# Altium PCB mib-pcb0009.PcbDoc (part 2 of 2)
Units mm, origin at the board's own origin, x right, y up, seen from the top; angles counter-clockwise.
Board outline 112 x 82 mm, 4 copper layers (Top Layer, PWR, Signal_2, Bottom Layer), stack 1.57 mm thick; 199 components, 128 nets, 565 pads, 389 vias.
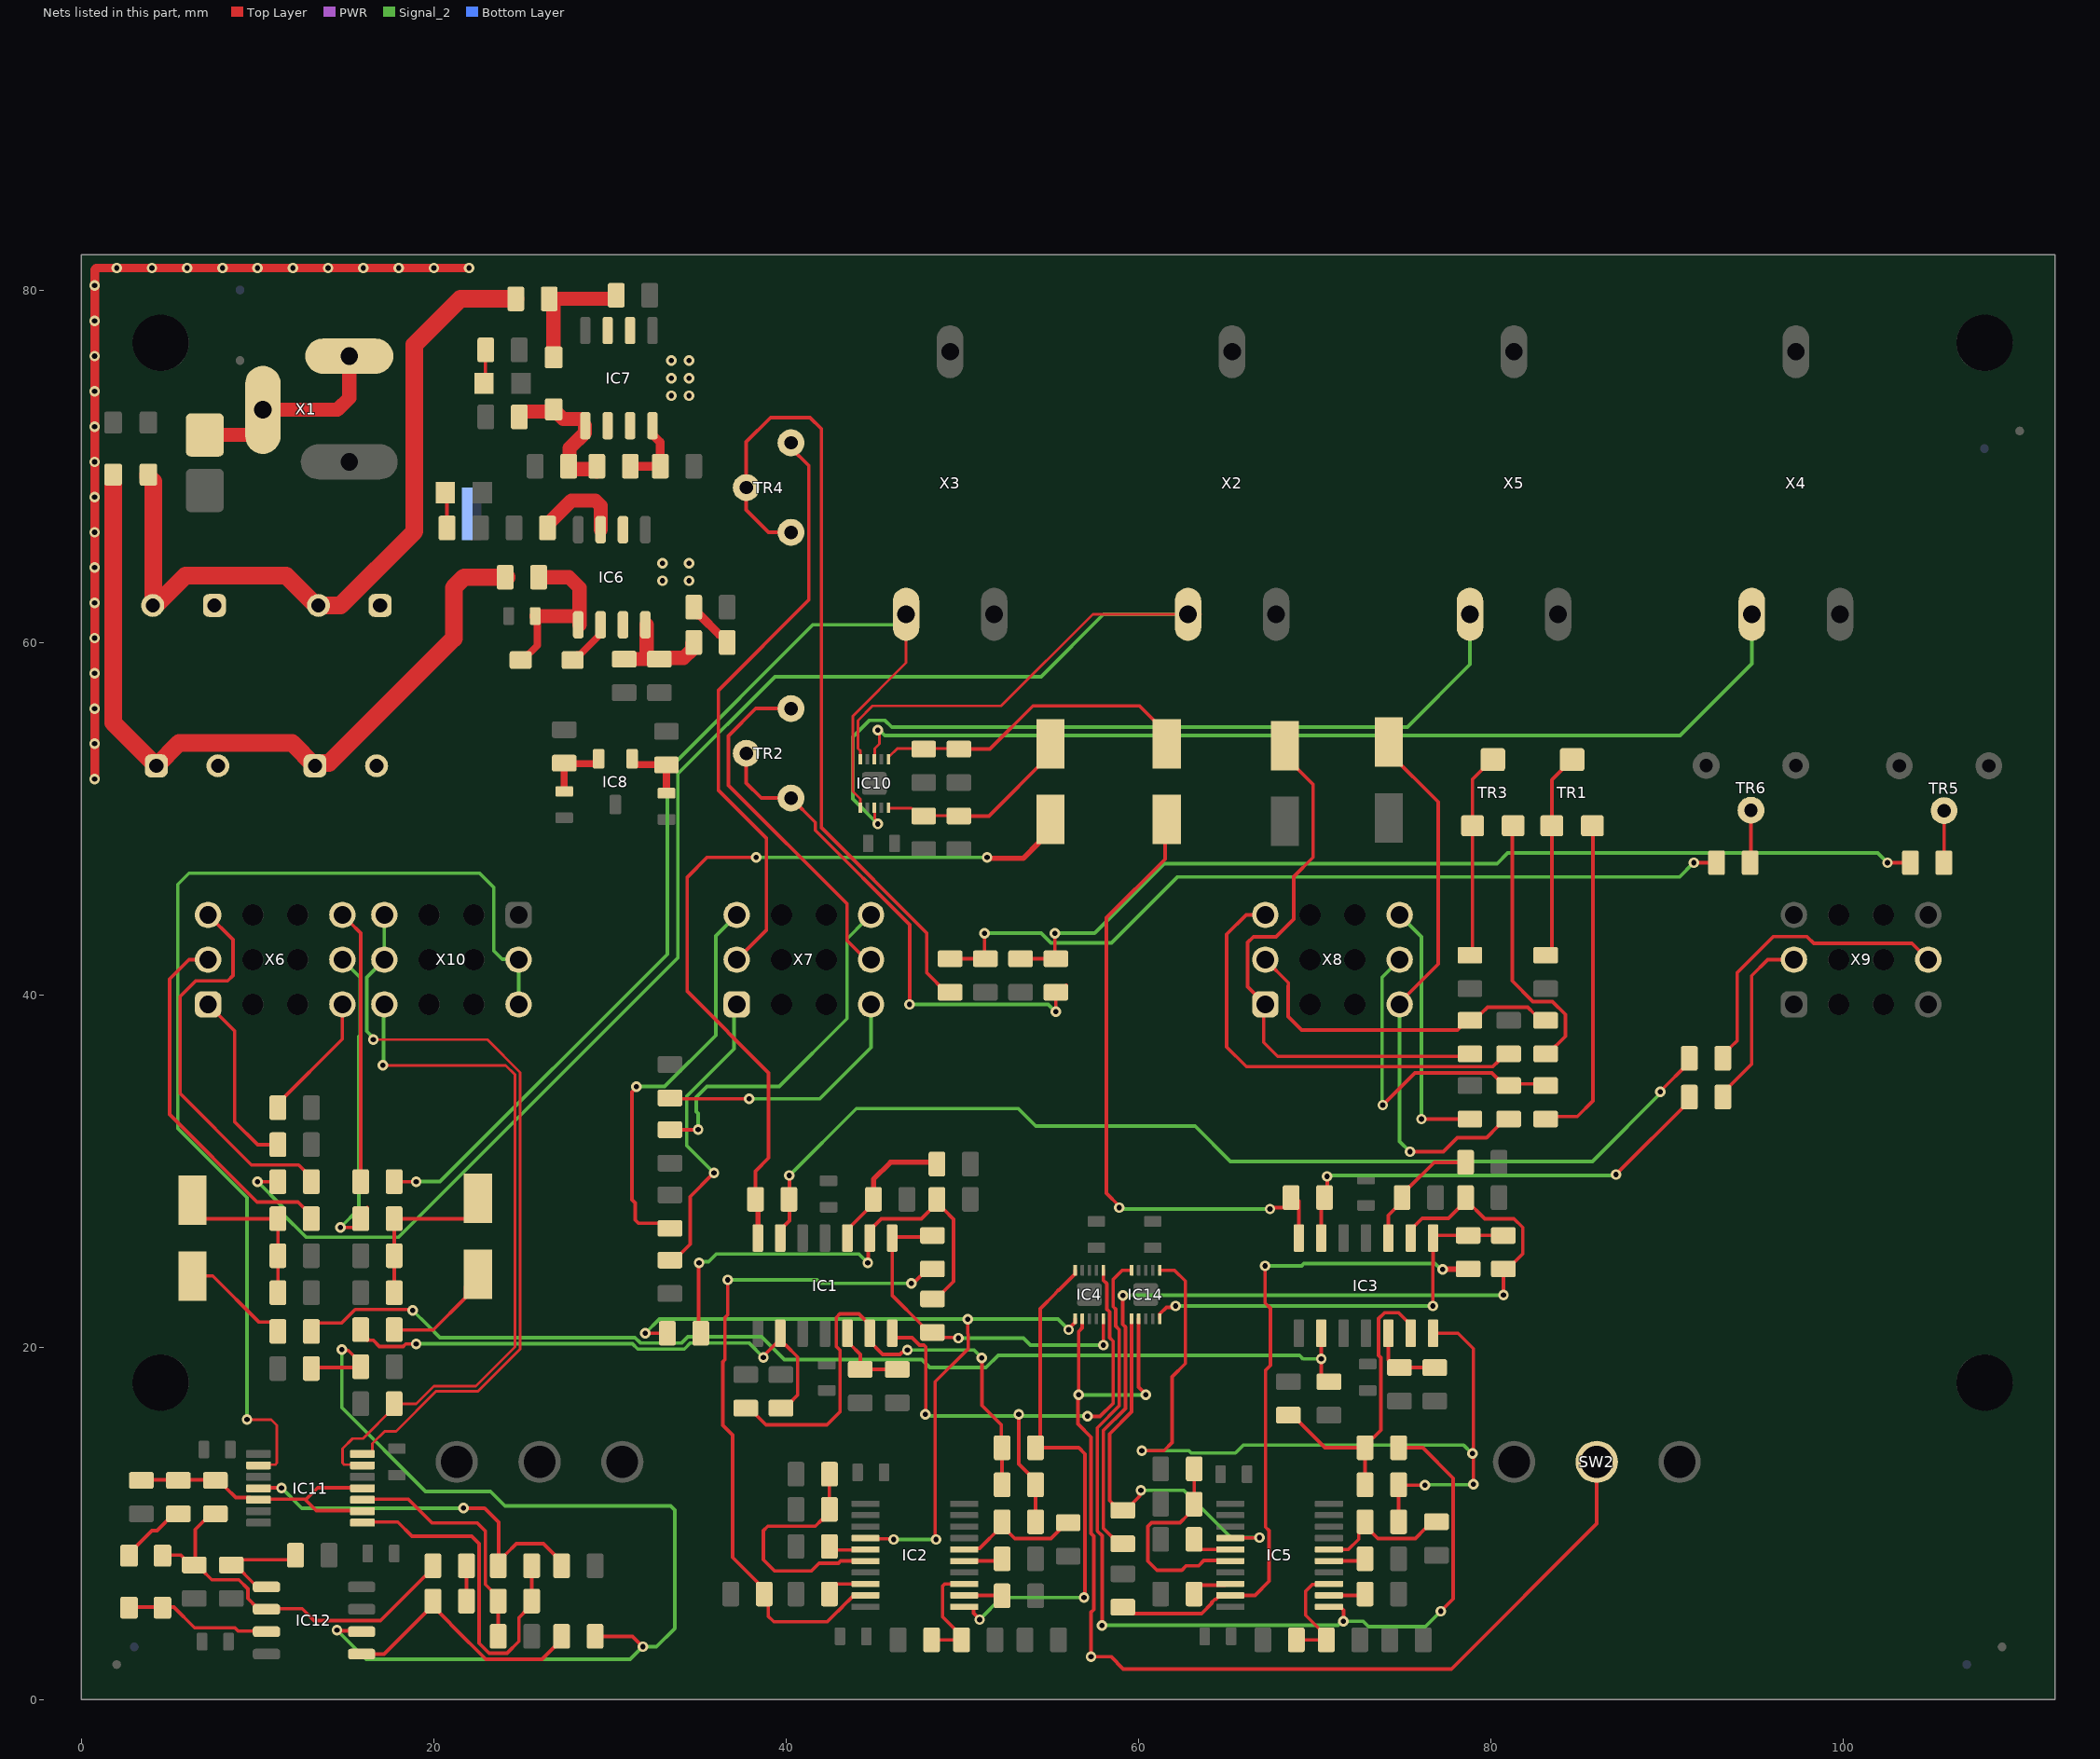
[diagram p4: the nets of this part, all layers, seen from the top]

## Via types
v1: diameter 0.6, hole 0.3, Top Layer to Bottom Layer, 389 vias

## Nets (pads, with @x,y where several pads share a name; then routed paths per layer and width w, separated by ;. In a path a pad name is that pad's centre, name@x,y a point inside that pad or via, vN(x,y) a via of type N, cw(c..) or ccw(c..) an arc to the next point about the centre after c; other vN are vias at no path point) (continued)
GND_IN: C21.N C22.P C33.N C35.P D3.A NT1.2 X1.2 X1.3 | length 62.2
  Top Layer w0.5: v1(0.75,52.25) v1(0.75,54.25) v1(0.75,56.25) v1(0.75,58.25) v1(0.75,60.25) v1(0.75,62.25) v1(0.75,64.25) v1(0.75,66.25) v1(0.75,68.25) v1(0.75,70.25) v1(0.75,72.25) v1(0.75,74.25) v1(0.75,76.25) v1(0.75,78.25) v1(0.75,80.25) 0.75,81.15 0.85,81.25 v1(2,81.25) v1(4,81.25) v1(6,81.25) v1(8,81.25) v1(10,81.25) v1(12,81.25) v1(14,81.25) v1(16,81.25) v1(18,81.25) v1(20,81.25) v1(22,81.25)
  Top Layer w0.8: D3.A@7,71.775 9.746,71.775 10.3,72.329 X1.3@10.3,73.2 14.531,73.2 15.2,73.869 X1.2@15.2,76.25
HP_Output_Left_12db: IC3.7 IC14.1 R60.1 R63.1 | length 49
  Top Layer w0.2: v1(60.181,14.136) 60.185,14.132 61.434,14.132 61.9,14.599 61.9,18.329 62.65,19.079 62.65,23.758 62.033,24.375 IC14.1@61.2,24.375 ; R63.1@74.75,10.1 R60.1@74.75,12.2 74.775,12.175 v1(76.25,12.175) ; IC3.7@76.71,20.8 78.125,20.8 79,19.925 v1(79,12.225)
  PWR w0.2: v1(76.25,12.175) v1@76.275,12.2 ; v1@78.975,12.2 v1(79,12.225)
  Signal_2 w0.2: v1(60.181,14.136) 62.846,14.136 62.982,14 65.487,14 65.935,14.447 78.447,14.447 78.919,13.975 v1(78.95,13.975) ; v1@76.275,12.2 v1@78.975,12.2
HP_Output_Left_24dB: IC3.8 IC14.10 R59.1 R61.1 | length 23.9
  Top Layer w0.2: IC14.10@61.2,21.625 61.2,21.9 61.573,22.273 62.023,22.273 v1(62.1,22.35) ; v1(76.7,22.35) 76.7,24.653 76.71,24.663 IC3.8@76.71,26.2 76.86,26.35 R61.1@78.7,26.35 R59.1@80.7,26.35
  Signal_2 w0.2: v1(62.1,22.35) v1(76.7,22.35) ; v1@76.68,22.28 v1@76.725,22.325
HP_Output_Right_12db: IC1.7 IC4.1 R6.1 R9.1 | length 31.3
  Top Layer w0.2: IC1.7@45.945,20.875 45.945,20.75 46.145,20.55 47.141,20.55 47.566,20.125 47.808,20.125 47.925,20.008 47.925,16.225 v1(47.9,16.2) ; v1(53.2,16.2) 53.2,13.375 54.15,12.425 R6.1@54.15,12.2 ; R6.1@54,12 54.15,11.85 R9.1@54.15,10.1 ; v1(57.1,16.1) 57.125,16.075 57.8,16.075 58.55,16.825 58.55,20.353 58.35,20.553 58.35,22.014 58.2,22.164 58.2,23.608 58,23.808 IC4.1@58,24.4
  PWR w0.2: v1(53.2,16.2) v1@53.277,16.123
  Signal_2 w0.2: v1@47.825,16.1 47.848,16.123 48.194,16.123 48.217,16.1 52.992,16.1 53.092,16.2 v1(53.2,16.2) ; 53.517,16.1 v1(57.1,16.1)
HP_Output_Right_24dB: IC1.8 IC4.10 R5.1 R7.1 | length 20.1
  Top Layer w0.2: IC1.8@46.01,26.2 46.01,22.949 47.712,21.247 47.712,21.224 48.085,20.85 R5.1@48.3,20.85 48.591,20.559 49.741,20.559 v1(49.775,20.525) ; IC1.8@46.21,26.2 46.27,26.26 48.16,26.26 R7.1@48.3,26.4 ; v1(58,20.125) IC4.10@58,21.625
  Signal_2 w0.2: v1(49.775,20.525) 53.458,20.525 53.858,20.125 v1(58,20.125)
Input_Left_Con: IC10.10 R75.1 X2.2 | length 100.7
  Top Layer w0.15: IC10.10@44.2,53.275 IC10.10@44.2,53.375 44.2,53.858 44.075,53.983 44.075,55.575 44.9,56.4 52.2,56.4 57.4,61.6 X2.2@62.8,61.6 X2.2@63.504,61.6
  Top Layer w0.2: v1@10.2,29.4 11,29.4 R75.1@11.2,29.2
  Signal_2 w0.2: v1(10,29.4) 11.413,27.987 11.413,27.587 12.75,26.25 17.999,26.25 33.85,42.101 33.85,52.552 39.357,58.059 54.459,58.059 58,61.6 X2.2@62.8,61.6 X2.2@63.031,61.6
Input_Right_Con: IC10.1 R21.1 X3.2 | length 60.2
  Top Layer w0.15: IC10.1@44.2,50.525 IC10.1@44.2,50.625 44.2,51.127 43.775,51.552 43.775,55.821 46.8,58.846 X3.2@46.8,61
  Top Layer w0.2: R21.1@17.75,29.4 v1(19,29.4)
  Signal_2 w0.2: v1(19,29.4) 19.007,29.407 20.353,29.407 33.248,42.302 33.248,52.738 41.51,61 X3.2@46.858,61
LP_Output_Left_12db: IC5.1 IC14.5 R58.2 | length 54.7
  Top Layer w0.2: v1(57.925,4.225) 57.925,9.305 57.65,9.58 57.65,15.43 58.9,16.68 58.9,21.005 58.7,21.205 58.7,22.159 58.55,22.309 58.55,23.85 59.075,24.375 IC14.5@59.6,24.375 ; IC5.1@70.8,5.275 70.875,5.2 71.508,5.2 71.625,5.083 v1(71.625,4.45) ; R58.2@74.75,14.3 76.125,14.3 77.85,12.575 77.85,5.725 v1(77.15,5.025)
  Signal_2 w0.2: v1(57.925,4.225) 71.308,4.225 71.533,4.45 v1(71.625,4.45) 72.75,4.45 73.05,4.15 76.275,4.15 v1(77.15,5.025)
LP_Output_Left_24dB: IC5.14 IC14.6 R56.2 | length 23
  Top Layer w0.2: IC14.6@59.6,21.625 59.6,16.337 58.35,15.087 58.35,11.309 58.512,11.147 58.512,11.124 58.885,10.75 R56.2@59.1,10.75 59.225,10.875 59.44,10.875 59.688,11.124 59.688,11.182 60.053,11.546 60.053,11.813 v1(60.129,11.89) ; IC5.14@65.2,9.175 65.213,9.188 66.838,9.188 v1(66.85,9.2)
  Signal_2 w0.2: v1(60.129,11.89) 62.558,11.89 65.247,9.2 v1(66.85,9.2)
LP_Output_Right_12db: IC2.1 IC4.5 R4.2 | length 29.7
  Top Layer w0.2: IC2.1@50.125,5.275 50.558,5.275 50.633,5.2 50.633,4.917 v1@50.975,4.575 ; R4.2@54.1,14.5 54.406,14.806 54.406,22.181 55.3,23.075 55.3,23.104 55.446,23.25 55.475,23.25 56.4,24.175 IC4.5@56.4,24.375 ; R4.2@54.15,14.3 56.6,14.3 56.95,13.95 56.95,5.85 v1(56.9,5.8)
  Signal_2 w0.2: v1(50.975,4.55) 52.225,5.8 v1(56.9,5.8)
LP_Output_Right_24dB: IC2.14 IC4.6 R2.2 | length 44
  Top Layer w0.2: v1(32,20.8) 33.035,20.8 33.25,21.015 R2.2@33.25,20.8 ; IC2.14@44.8,9.2 44.862,9.138 46.062,9.138 v1(46.1,9.1) ; v1(48.5,9.1) 48.452,9.148 48.452,18.047 50.325,19.92 50.325,20.753 50.3,20.778 v1(50.3,21.6) ; v1(56.025,21) 56.025,21.05 56.4,21.425 IC4.6@56.4,21.625
  Signal_2 w0.2: v1(32,20.8) 32.8,21.6 55.425,21.6 v1(56.025,21) ; v1(46.1,9.1) v1(48.5,9.1)
NetC2_2: C2.2 IC2.18 | length 1.7
  Top Layer w0.2: C2.2@42.45,6.6 42.475,6.575 44.075,6.575 IC2.18@44.1,6.6
NetC3_2: C3.2 IC2.15 | length 1.8
  Top Layer w0.2: C3.2@42.45,8.7 42.65,8.5 IC2.15@44.202,8.5
NetC4_2: C4.2 IC2.5 | length 1.7
  Top Layer w0.2: IC2.5@50.6,7.9 50.625,7.875 52.125,7.875 C4.2@52.25,8
NetC5_2: C5.2 IC2.2 | length 2.2
  Top Layer w0.2: IC2.2@50.125,5.925 51.876,5.925 52.1,5.701 C5.2@52.1,5.6
NetC6_2: C6.2 R25.2 X8.4 | length 32
  Top Layer w0.2: C6.2@74.2,54.35 74.2,53.75 77,50.95 77,41.75 X8.4@74.75,39.5 ; v1(75.4,31.1) 77.291,31.1 78.091,31.9 79.743,31.9 80.4,32.557 80.4,32.565 80.885,33.05 R25.2@81,33.05
  Signal_2 w0.2: X8.4@74.81,39.46 74.81,31.69 v1(75.4,31.1)
NetC7_1: C7.1 C8.2 R23.2 R26.2 | length 9
  Top Layer w0.2: R26.2@17.75,23.1 C8.2@17.75,25.2 17.75,27.25 R23.2@17.8,27.3 ; R23.2@17.75,27.3 R23.2@17.8,27.3 ; C7.1@22.3,27.8 21.8,27.3 R23.2@17.8,27.3
NetC7_2: C7.2 R24.2 | length 6.4
  Top Layer w0.2: R24.2@17.75,21 17.764,20.986 19.966,20.986 21.8,22.819 21.8,23.45 C7.2@22.5,24.15
NetC10_1: C10.1 IC1.14 R31.1 | length 45.3
  Top Layer w0.2: R31.1@38.25,28.4 38.25,29.999 39,30.749 39,35.575 34.383,40.192 34.383,46.683 35.5,47.8 v1@38.436,47.8
  Top Layer w0.3: R31.1@38.25,28.4 38.396,28.254 IC1.14@38.396,26.206 ; v1(51.4,47.8) 51.446,47.754 53.455,47.754 54.35,48.649 54.35,49.3 C10.1@55,49.95
  Signal_2 w0.2: v1(38.3,47.8) v1(51.4,47.8)
NetC19_2: C19.2 IC11.5 IC11.9 IC11.11 R90.2 R96.2 | length 16.7
  Top Layer w0.2: C19.2@3,12.487 R90.2@4.95,12.487 ; R90.2@5.1,12.487 6.95,12.487 R96.2@7.1,12.337 ; R96.2@7.2,12.487 7.815,12.487 8.188,12.114 8.188,12.049 8.767,11.471 9.567,11.471 IC11.5@9.675,11.362 ; IC11.5@10.05,11.387 12.675,11.387 12.712,11.35 ; IC11.9@15.95,10.737 13.325,10.737 12.712,11.35 ; IC11.11@15.95,12.037 13.4,12.037 12.712,11.35
NetC20_2: C20.2 D12.1 IC12.6 R96.1 R99.2 | length 21.9
  Top Layer w0.2: D12.1@4.55,8.212 5.635,8.212 5.812,8.036 5.812,8.024 6.148,7.687 C20.2@6.437,7.687 ; C20.2@6.4,7.65 C20.2@6.437,7.687 ; C20.2@6.467,7.687 C20.2@6.437,7.687 ; C20.2@6.7,7.437 6.775,7.437 7.402,6.81 8.936,6.81 9.45,6.296 9.45,5.747 9.96,5.237 IC12.6@10.3,5.237 ; R96.1@7.6,10.587 7.385,10.587 6.467,9.669 6.467,7.717 C20.2@6.437,7.687 ; IC12.6@10.3,5.172 12.535,5.172 13.207,4.5 16.979,4.5 19.49,7.012 19.576,7.012 19.95,7.385 R99.2@19.95,7.6
NetC21_P: C21.P C33.P D20.2 R40.1 | length 44.6
  Top Layer w1: D20.2@1.8,69.525 1.8,64.1 1.8,55.45 C21.P@4.25,53 5.55,54.3 9.506,54.3 11.95,54.3 C33.P@13.25,53 13.4,53.15 14.05,53.15 21.131,60.231 21.131,63.114 21.717,63.7 R40.1@24.125,63.7
NetC22_N: C22.N C35.N D6.1 R44.1 | length 43
  Top Layer w0.8: C22.N@4.075,62.1 C22.N@4.21,62.1 ; C35.N@13.315,62.1 C35.N@13.45,62.1
  Top Layer w1: D6.1@3.8,69.525 3.8,69.4 4.075,69.125 C22.N@4.075,62.1 ; C22.N@4.21,62.1 4.21,62.154 4.306,62.25 4.36,62.25 5.91,63.8 11.615,63.8 13.257,62.157 13.311,62.157 13.315,62.154 C35.N@13.315,62.1 ; C35.N@13.45,62.1 14.7,62.1 18.9,66.3 18.9,76.9 21.5,79.5 R44.1@24.625,79.5
NetC23_2: C23.2 D1.1 IC6.2 IC6.3 IC6.6 IC6.7 L1.1 R41.2 | length 11.1
  Top Layer w0.4: D1.1@28.15,59.3 27.85,59 27.975,59 29.4,60.425 29.44,60.425 29.54,60.525 IC6.2@29.54,61
  Top Layer w0.5: C23.2@34.725,62 34.725,61.775 34.95,61.55 35.1,61.55 36.2,60.45 36.4,60.45 36.425,60.425 R41.2@36.425,60
  Top Layer w0.8: L1.1@26.475,66.725 27.801,68.051 29.165,68.051 29.465,67.751 IC6.7@29.465,66.4
  other v1: 32.975,63.5 34.475,63.5 32.975,64.5 34.475,64.5
NetC24_2: C24.2 D1.2 IC6.1 R40.2 | length 10.1
  Top Layer w0.4: D1.2@24.9,59 25.025,59 25.875,59.85 25.875,61.45 C24.2@25.825,61.5
  Top Layer w0.8: C24.2@25.825,61.5 28.045,61.5 IC6.1@28.27,61.275 ; R40.2@26.025,63.7 27.675,63.7 28.27,63.105 IC6.1@28.27,61.275 ; IC6.1@28.27,61 IC6.1@28.27,61.275
NetC25_2: C25.2 IC6.4 R39.2 R41.1 | length 5.9
  Top Layer w0.8: C25.2@30.775,59.05 C25.2@30.8,59.05 32.175,59.05 32.08,59.145 IC6.4@32.08,61 ; R39.2@32.75,59.125 34.181,59.125 34.65,59.594 34.65,59.925 R41.1@34.725,60
NetC28_2: C28.2 D5.1 IC7.2 IC7.3 IC7.6 IC7.7 R44.2 | length 6.9
  Top Layer w0.8: R44.2@26.525,79.5 C28.2@29.975,79.5 ; R44.2@26.55,79.5 26.55,79.275 26.785,79.04 D5.1@26.785,76.19
  other v1: 33.475,74 34.475,74 33.475,75 34.475,75 33.475,76 34.475,76
NetC29_2: C29.2 D5.2 IC7.1 L2.1 R45.2 | length 8.7
  Top Layer w0.8: L2.1@24.825,72.8 24.825,73.025 24.9,73.1 25.369,73.1 26.675,73.1 D5.2@26.775,73.2 ; D5.2@26.775,73.225 D5.2@26.775,73.2 ; C29.2@27.625,69.909 27.7,69.834 29.25,69.834 R45.2@29.25,69.7 ; C29.2@27.625,70 27.7,70.075 27.7,71.025 28.57,71.895 IC7.1@28.57,72.3 ; IC7.1@28.47,72.675 27.344,72.675 27.019,73 26.875,73 26.775,73.1 D5.2@26.775,73.2
NetC30_2: C30.2 IC8.2 R48.2 | length 3.6
  Top Layer w0.4: C30.2@27.4,51.5 C30.2@27.4,51.55 R48.2@27.4,53.1 ; R48.2@27.4,53.15 R48.2@27.4,53.1 ; IC8.2@29.35,53.1 29.325,53.125 27.425,53.125 R48.2@27.4,53.1
NetC31_2: C31.2 IC8.1 R49.1 | length 3.5
  Top Layer w0.4: IC8.1@31.25,53.1 31.275,53.075 32.825,53.075 R49.1@32.9,53 ; C31.2@33.2,51.4 C31.2@33.2,51.45 R49.1@33.2,53.05 33.25,53 R49.1@33.3,53
NetC32_2: C32.2 IC12.5 R98.2 | length 6.4
  Top Layer w0.2: R98.2@8.484,7.628 8.799,7.942 11.855,7.942 C32.2@12.15,8.237 ; R98.2@8.489,7.633 8.752,7.633 9.811,6.574 10.331,6.574 IC12.5@10.5,6.405
NetC34_1: C34.1 IC12.1 R100.2 | length 14.1
  Top Layer w0.2: IC12.1@15.9,2.595 17.177,2.595 19.95,5.368 C34.1@19.95,5.6 ; C34.1@20.313,4.937 21.569,3.681 22.5,2.75 22.95,2.3 26.141,2.3 26.853,3.012 26.876,3.012 27.25,3.385 R100.2@27.25,3.6
NetC34_2: C34.2 R99.1 | length 2
  Top Layer w0.2: C34.2@21.85,5.6 R99.1@21.85,7.6
NetC42_2: C42.2 IC5.18 | length 1.9
  Top Layer w0.2: C42.2@63.15,6.1 63.15,6.126 63.524,6.5 IC5.18@64.9,6.5
NetC43_2: C43.2 IC5.15 | length 1.5
  Top Layer w0.2: C43.2@63.15,8.6 63.225,8.525 64.525,8.525 IC5.15@64.6,8.6
NetC44_2: C44.2 IC5.5 | length 2.2
  Top Layer w0.2: IC5.5@70.8,7.875 72.675,7.875 C44.2@72.9,8.1
NetC45_2: C45.2 IC5.2 | length 2
  Top Layer w0.2: IC5.2@70.9,6 70.975,5.925 72.775,5.925 C45.2@72.85,6
NetC46_2: C46.2 R80.2 X8.1 | length 31.8
  Top Layer w0.2: X8.1@67.19,39.46 66.19,40.46 66.19,42.973 66.517,43.3 67.8,43.3 68.8,44.3 68.8,46.7 69.9,47.8 69.9,51.95 C46.2@68,53.85 ; X8.1@67.419,39.15 67.1,38.831 67.1,37.3 67.887,36.513 R80.2@78.713,36.513
NetC47_1: C47.1 C48.2 R77.2 R79.2 | length 9.3
  Top Layer w0.2: C47.1@6.1,27.5 6.3,27.3 11.075,27.3 R77.2@11.15,27.3 ; R77.2@11.075,27.225 11.15,27.15 11.15,25.196 R79.2@11.15,23.1
NetC47_2: C47.2 R78.2 | length 6.6
  Top Layer w0.2: C47.2@6.3,24.05 7.45,24.05 10.06,21.44 10.776,21.44 11.1,21.116 R78.2@11.1,20.9 ; C47.2@6.6,22.8 C47.2@6.95,22.8
NetC50_1: C50.1 IC3.14 R85.1 | length 35.5
  Top Layer w0.2: v1@58.9,28.025 58.175,28.75 58.175,44.375 61.5,47.7 C50.1@61.5,49.7 ; v1(67.45,27.85) 67.527,27.927 68.326,27.927 68.7,28.3 R85.1@68.7,28.5 ; IC3.14@69.09,26.2 69.09,28.29 R85.1@69.1,28.3
  PWR w0.2: v1@58.9,28.025 v1@59.008,28.025
  Signal_2 w0.2: v1@59.104,27.85 v1(67.45,27.85)
  other v1: 58.9,27.925
NetD4_A: D4.A R42.1 | length 2.1
  Top Layer w0.2: D4.A@20.7,68.6 20.75,68.55 R42.1@20.75,66.5
NetD7_A: D7.A R46.1 | length 2.2
  Top Layer w0.2: D7.A@22.825,74.7 22.925,74.8 22.925,76.6 22.925,76.75 R46.1@22.875,76.8
  Top Layer w0.4: D7.A@22.92,74.354 D7.A@22.97,74.404
NetD11_1: D11.1 D12.2 IC12.7 | length 8.7
  Top Layer w0.2: D11.1@2.325,5.262 2.525,5.262 4.55,5.262 5.244,5.262 6.419,4.087 8.71,4.087 8.895,3.902 IC12.7@10.5,3.902
NetD11_2: D11.2 R90.1 | length 3.7
  Top Layer w0.2: D11.2@2.737,8.337 4.003,9.603 4.291,9.603 5.275,10.587 R90.1@5.5,10.587
NetIC1_2: IC1.2 R20.2 R24.1 | length 30.6
  Top Layer w0.2: R24.1@15.85,21 15.85,20.785 16.224,20.412 16.331,20.412 16.342,20.4 16.564,20.4 16.914,20.05 18.259,20.05 18.4,20.191 18.991,20.191 v1(19,20.2) ; v1@38.8,19.5 38.8,19.605 IC1.2@39.595,20.4 ; IC1.2@39.595,20.875 39.595,20.39 39.86,20.125 39.975,20.125 40.65,19.45 40.65,17.29 40.533,17.173 40.288,16.928 40.288,16.899 39.915,16.525 R20.2@39.7,16.525
  Signal_2 w0.2: v1(19,20.2) 31.273,20.2 31.573,19.9 34.217,19.9 34.567,20.25 37.875,20.25 v1(38.7,19.425)
NetIC1_5: IC1.5 R12.2 R18.2 | length 4.5
  Top Layer w0.2: IC1.5@43.405,20.875 43.605,20.675 43.605,20.195 44.2,19.6 R12.2@44.2,18.75 ; R12.2@44.25,18.75 R18.2@46.3,18.75
NetIC1_6: IC1.6 R3.2 R4.1 R6.2 | length 28.6
  Top Layer w0.2: R3.2@37.7,16.525 37.925,16.525 38.85,15.6 42.308,15.6 43.05,16.342 43.05,19.835 42.843,20.042 42.843,21.698 43.037,21.891 44.124,21.891 44.74,21.275 IC1.6@44.74,20.8 ; IC1.6@44.675,20.4 45.475,19.6 46.458,19.6 46.708,19.85 v1@46.775,19.85 ; v1(51.1,19.4) 51.1,16.7 52.2,15.6 52.2,14.35 R4.1@52.25,14.3 R6.2@52.25,12.55
  Signal_2 w0.2: v1@46.775,19.85 50.65,19.85 v1(51.1,19.4)
  other v1: 46.875,19.85
NetIC1_9: IC1.9 R1.1 R2.1 R5.2 | length 27.1
  Top Layer w0.2: v1(35.05,24.785) 35.025,24.76 35.025,20.925 R2.1@35.15,20.8 ; v1@44.625,24.85 44.65,24.875 44.65,26.05 44.625,26.075 44.75,26.2 IC1.9@44.675,26.275 ; IC1.9@44.94,26.2 44.94,26.875 44.975,26.875 45.4,27.3 47.675,27.3 R1.1@48.55,28.175 ; R5.2@48.3,22.75 48.515,22.75 48.9,23.135 49.5,23.735 49.5,27.275 48.963,27.812 48.924,27.812 48.55,28.185 R1.1@48.55,28.4
  Signal_2 w0.2: v1(35.05,24.785) 35.127,24.862 35.592,24.862 36.03,25.3 44.125,25.3 v1(44.625,24.8)
NetIC1_10: IC1.10 R11.2 R15.2 | length 7.4
  Top Layer w0.2: IC1.10@43.67,26.2 43.67,26.885 44.587,27.801 R11.2@44.885,28.1
  Top Layer w0.3: R11.2@44.95,28.4 44.95,29.534 45.916,30.5 R15.2@48.4,30.5
NetIC1_13: IC1.13 R31.2 R32.1 | length 60.4
  Top Layer w0.2: IC1.13@39.66,26.2 39.66,26.675 39.86,26.875 39.862,26.875 40.177,27.191 40.177,28.373 R31.2@40.15,28.4 40.177,28.427 v1(40.177,29.75) ; v1(89.6,34.5) 89.6,34.525 91.25,36.175 R32.1@91.25,36.4
  Signal_2 w0.2: v1(40.177,29.75) 43.977,33.55 53.163,33.55 54.163,32.55 63.209,32.55 65.209,30.55 85.75,30.55 v1@89.728,34.528
NetIC2_3: IC2.3 R10.2 R17.2 | length 6
  Top Layer w0.2: R10.2@48.25,3.4 49.6,3.4 R17.2@49.7,3.5 ; R17.2@49.7,3.55 49.7,3.875 48.875,4.7 48.875,6.458 48.992,6.575 IC2.3@50.125,6.575
NetIC2_6: IC2.6 R9.2 R16.2 | length 7.3
  Top Layer w0.2: IC2.6@50.125,8.525 50.2,8.6 50.975,8.6 52.175,9.8 52.325,9.8 52.975,9.15 55.025,9.15 55.975,10.1 R16.2@56.2,10.1
NetIC2_16: IC2.16 R8.2 R14.2 | length 13.9
  Top Layer w0.2: R8.2@42.3,10.5 42.3,10.435 42.076,10.212 42.012,10.212 41.65,9.85 38.95,9.85 38.7,9.6 38.7,7.947 39.339,7.308 41.42,7.308 41.862,7.75 42.959,7.75 43.084,7.875 IC2.16@44.525,7.875 ; R8.2@42.3,11 42.45,11.15 R14.2@42.45,12.8
NetIC2_19: IC2.19 R7.2 R13.2 | length 38.1
  Top Layer w0.2: v1(36.675,23.825) 36.675,21.838 36.525,21.688 36.525,19.304 36.4,19.179 36.4,15.578 36.95,15.028 36.95,8.075 38.8,6.225 R13.2@38.8,6 ; R13.2@38.75,5.835 38.975,5.61 38.975,4.747 39.297,4.425 42.325,4.425 42.95,5.05 42.959,5.05 43.175,5.266 43.175,5.275 43.75,5.85 44.05,5.85 IC2.19@44.1,5.9 ; v1(47.1,23.625) 47.2,23.625 48.075,24.5 R7.2@48.3,24.5
  Signal_2 w0.2: v1(36.675,23.825) 41.749,23.825 41.949,23.625 v1(47.1,23.625)
NetIC3_2: IC3.2 R74.2 R78.1 | length 62.9
  Top Layer w0.2: R78.1@13.05,20.9 13.05,21.008 13.424,21.381 14.772,21.381 15.541,22.15 18.75,22.15 v1(18.8,22.1) ; IC3.2@70.36,20.8 70.36,20.342 v1(70.36,19.34) 70.36,18.424 70.734,18.05 R74.2@70.8,18.05
  Signal_2 w0.2: v1(18.8,22.1) 19.696,21.204 20.35,20.55 31.418,20.55 31.718,20.25 34.072,20.25 34.422,20.6 38.597,20.6 39.897,19.3 47.7,19.3 48.15,18.85 51.328,18.85 52.028,19.55 69.128,19.55 69.338,19.34 v1(70.36,19.34)
NetIC3_5: IC3.5 R66.2 R72.2 | length 4.6
  Top Layer w0.2: IC3.5@74.17,20.8 74.17,19.265 74.635,18.8 74.8,18.8 R66.2@74.9,18.8 ; R66.2@74.8,18.85 74.9,18.85 R72.2@76.8,18.85 76.85,18.85 R72.2@76.9,18.8
NetIC3_6: IC3.6 R57.2 R58.1 R60.2 | length 17.8
  Top Layer w0.2: R57.2@68.5,16.15 68.55,16.1 68.775,16.1 70.575,14.3 R58.1@72.85,14.3 ; R60.2@72.85,12.2 R58.1@72.85,14.3 ; IC3.6@75.44,20.8 75.44,21.275 74.748,21.967 73.953,21.967 73.62,21.635 73.62,19.54 73.75,19.41 73.75,15.3 73.338,14.888 73.224,14.888 72.85,14.515 R58.1@72.85,14.3
NetIC3_9: IC3.9 R55.1 R56.1 R59.2 | length 49.6
  Top Layer w0.2: R56.1@59.1,8.85 58.875,8.85 58,9.725 58,15.285 59.25,16.535 59.25,21.15 59.1,21.299 v1(59.1,22.95) ; IC3.9@75.44,26.2 75.44,26.675 76.09,27.325 77.59,27.325 78.165,27.9 78.604,28.339 79.642,27.3 81.3,27.3 81.8,26.8 81.8,25.315 80.935,24.45 R59.2@80.7,24.45 v1(80.7,22.975) ; R55.1@78.55,28.392 R55.1@78.55,28.5
  Signal_2 w0.2: v1(59.1,22.95) 80.675,22.95 v1(80.7,22.975)
NetIC3_10: IC3.10 R65.2 R69.2 | length 6.9
  Top Layer w0.2: IC3.10@74.17,26.2 74.17,27.495 74.875,28.2 R65.2@74.9,28.2 ; R65.2@74.95,28.5 74.95,28.715 75.324,29.088 75.363,29.088 76.775,30.5 R69.2@78.55,30.5
NetIC3_13: IC3.13 R85.2 R86.1 | length 26.2
  Top Layer w0.2: IC3.13@70.36,26.2 70.36,27.901 70.759,28.3 R85.2@70.9,28.3 ; R85.2@70.6,28.5 70.7,28.6 v1(70.7,29.7) ; v1(87.086,29.805) 87.086,29.808 91.25,33.972 R86.1@91.25,34.2